# Allegro board MCU075A_LP-CC2652R7.brd (continued)
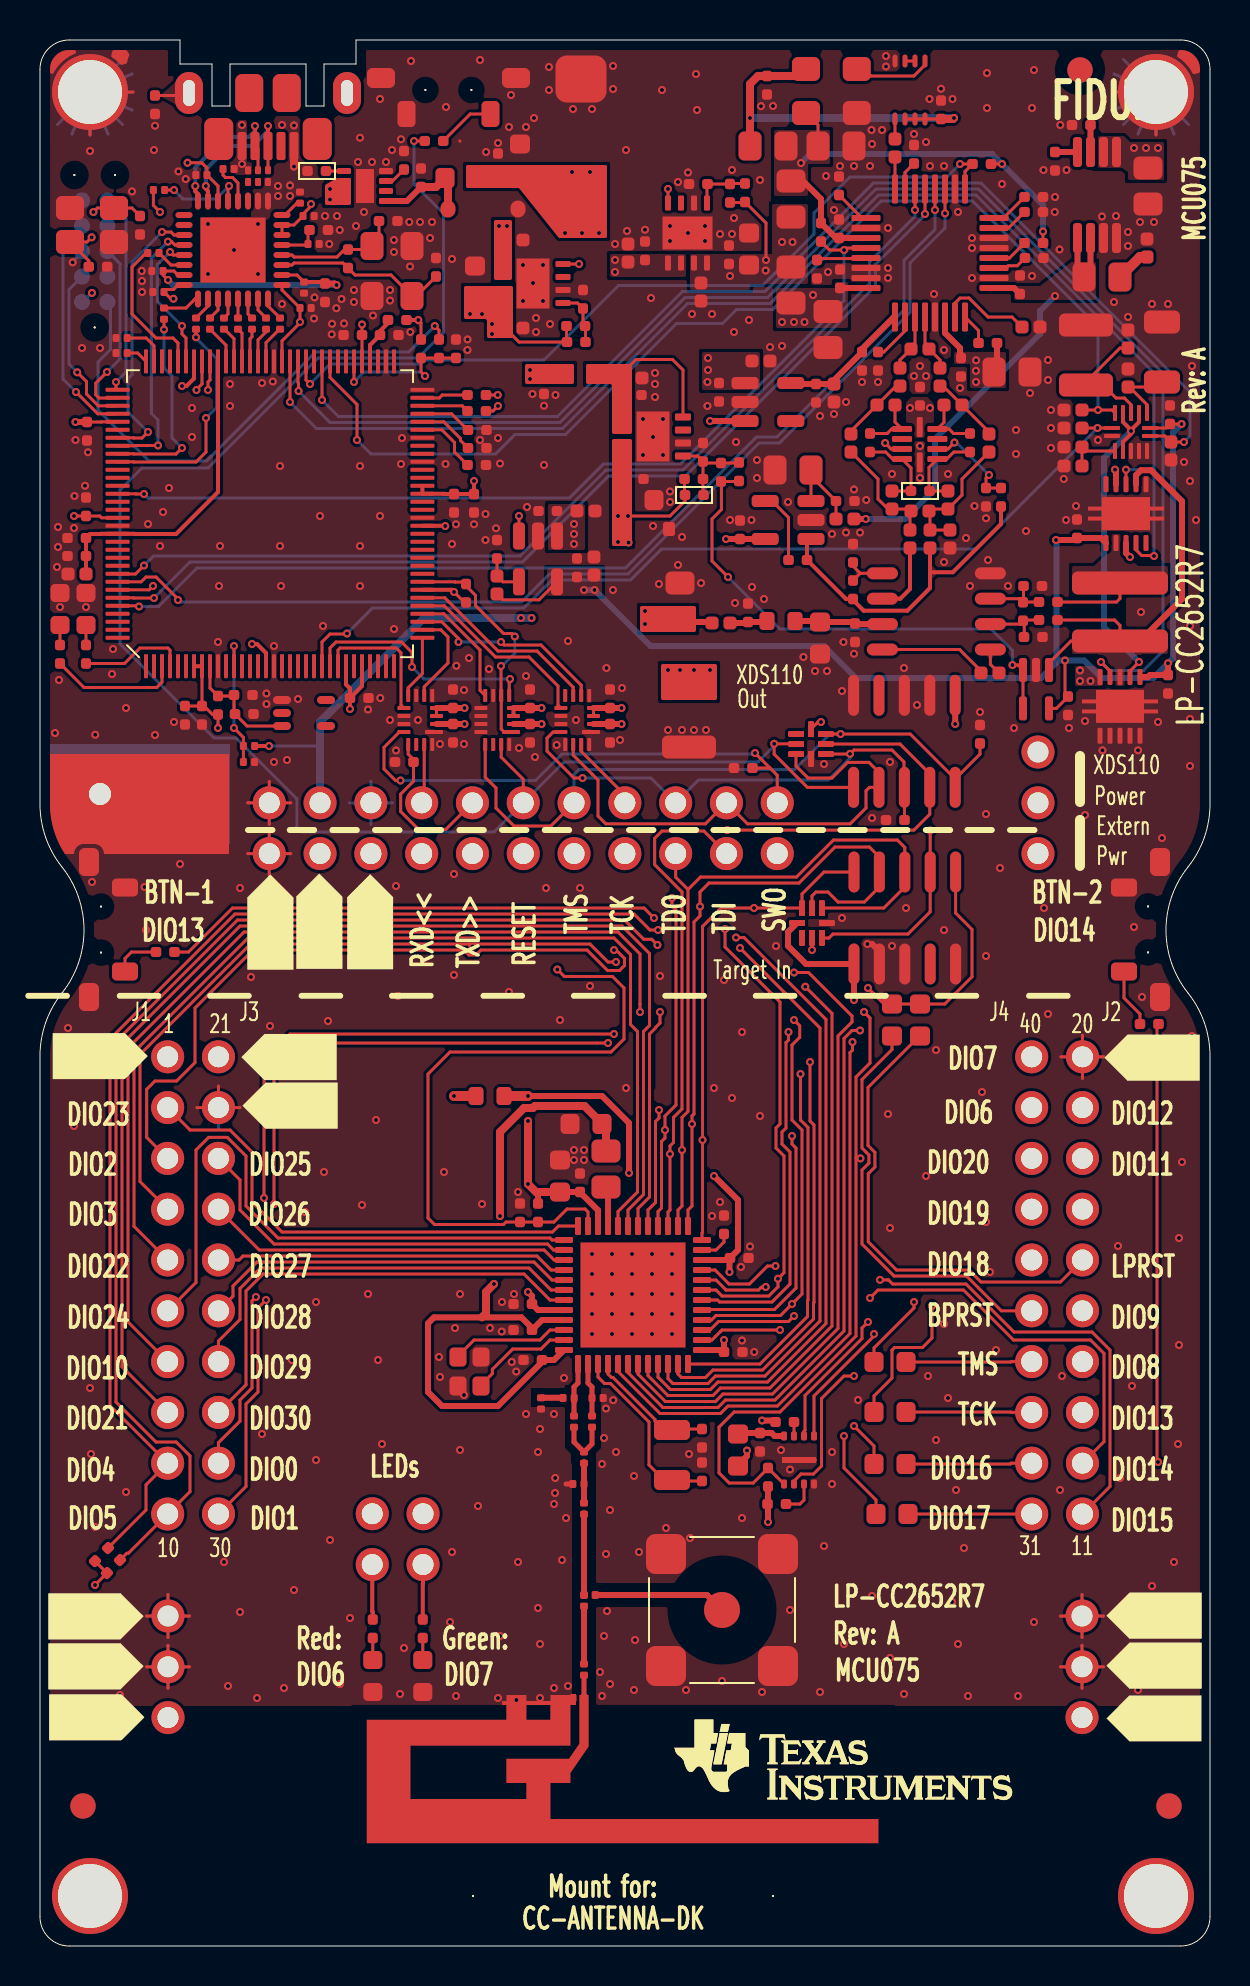
[diagram p0: board, top side]
## Routing (per net, layer and track width the routed paths; a pad name or vN(x,y) marks a point on that pad's centre or on a via; arc(x,y) is an arc through that point) (continued)
VBUS_DET: length 7
  TOP w0.15: R93.1 R92.1 10.17,60.43 v1(9.7,60.9) ; U5.12 v1(9.7,65)
  BOTTOM w0.15: v1(9.7,60.9) v1(9.7,65)
VDDC: length 15.9
  TOP w0.2: U5.87 8.9,72.7 6.8,70.6 4.72,70.6 4.71,70.61 U5.115 3.05,70.61 3.04,70.6 2.5,70.6 C43.1 C44.1 C45.1
VDDR: length 36.3
  TOP w0.3: U1.45 25.1,31.3 C106.1 24.6,30.9 24.07,31.43 19.7,31.43 19.4,31.13 19.4,27.7 20.1,27 22.9,27 25.1,29.2 C107.1 25.7,29.3 U1.48
  TOP w0.4: v1(23,36.5) 23,40.7 24.2,41.9 24.65,41.9 24.75,42 27.22,42 28.1,41.12 C105.1 28.3,40.9 L1.2 ; 22.1,31.43 22.3,31.63 22.3,32.7 v1(22.7,33.1)
  L3 w0.4: v1(22.7,33.1) 22.7,35.67 23,35.97 v1(23,36.5)
VDDS: length 43.5
  TOP w0.3: v1(29.45,38.65) 29.45,41.15 28.1,42.5 v1(24.4,42.5) ; v1(33.7,38.5) 34.9,37.3 34.9,34.8 C101.1 34.47,34.43 ; U1.22 34.35,34.3 34.47,34.43 ; 34.47,34.43 v1(34.47,33.7) ; 24.8,37.7 24.9,37.6 R1.2 ; U1.13 34.1,29.8 C99.1 v1(34.2,30.3) ; 25.9,37.7 C103.1 C104.1 27,37.69 27.9,36.79 U1.34 ; v1(24.4,32.7) 24.6,32.5 C102.1 24.9,31.8 U1.44
  TOP w0.4: v1(24.4,41.25) v1(24.4,38.1) 24.8,37.7 25.9,37.7
  TOP w0.5: FL1.1 v1(24.4,42.5)
  L3 w0.3: v1(29.45,38.65) 30.03,38.65 30.18,38.5 v1(33.7,38.5) ; v1(34.2,30.3) 34.2,33.43 v1(34.47,33.7) ; v1(24.4,32.7) v1(24.4,38.1)
  L3 w0.4: v1(24.4,41.25) v1(24.4,42.5)
BP_RESET: length 21.2
  TOP w0.15: R52.1 42.6,44.82 41.1,43.32 41.1,39.9 41.3,39.7 41.3,39.7 41.44,39.56 41.44,39.15 41.1,38.8 41.1,35.1 42.7,33.5 46.32,33.5 46.93,32.9 46.93,32.9 48.07,31.76 J2.11
DCDC_SW: length 2
  TOP w0.3: L1.1 28.4,37.85 U1.33
DIO0: length 80.4
  TOP w0.15: v1(10.79,32.45) 10.79,32.44 10.6,32.25 10.6,27.9 10,27.3 10,26.25 8.92,25.17 J1.18 ; U1.5 28.9,28.72 31,26.62 34.02,26.62 34.4,27 36.88,27 40.5,30.62 40.5,44.67 40.62,44.8 v1(40.62,45.2) ; v1(28.7,45.6) 12.5,45.6 11.2,44.3 v1(11.2,37.4)
  L3 w0.15: v1(28.7,45.6) 29.1,45.6 29.5,45.2 v1(40.62,45.2) ; v1(10.79,32.45) 10.79,32.85 10.8,32.86 10.8,37 v1(11.2,37.4)
DIO1: length 84.1
  TOP w0.15: U1.6 29.4,28.67 31.14,26.93 33.9,26.93 34.27,27.3 36.75,27.3 40.2,30.75 40.2,45.38 40.6,45.78 v1(41,45.78) ; v1(11.7,37.1) 11.7,44.3 12.55,45.15 v1(28.4,45.15) ; v1(11.3,32.3) 10.9,31.9 10.9,27.7 10.3,27.1 10.3,22.98 J1.20
  L3 w0.15: v1(11.7,37.1) 11.3,36.7 v1(11.3,32.3) ; v1(28.4,45.15) 28.95,45.15 29.4,44.7 41,44.7 41.28,44.99 41.28,45.49 v1(41,45.78)
DIO4_SCL: length 94.3
  TOP w0.15: R3.1 5.3,21.8 5.3,23.06 J1.17 3.5,27.02 3.5,45.1 3.5,45.35 9.75,51.6 29.7,51.6 30.5,50.8 v1(30.9,50.8) ; U1.9 30.9,28.44 31.52,27.82 33.52,27.82 33.9,28.2 36.38,28.2 39.3,31.12 39.3,46.32 35.2,50.42 v1(34.8,50.42)
  L3 w0.15: v1(34.8,50.42) 31.28,50.42 v1(30.9,50.8)
DIO5_SDA: length 93.9
  TOP w0.15: v1(35,49.9) 39,45.9 39,31.25 36.25,28.5 33.77,28.5 33.4,28.12 31.64,28.12 31.4,28.37 U1.10 ; R2.1 4.34,19.64 4.42,19.64 J1.19 7.5,22.72 7.5,24.51 6.81,25.2 5.8,25.2 3.8,27.2 3.8,45.22 9.88,51.3 29.22,51.3 30.19,50.34 30.59,50.34 v1(30.87,50.05)
  L3 w0.15: v1(35,49.9) 34.52,49.9 34.37,50.05 v1(30.87,50.05)
DIO6_RLED: length 78.6
  TOP w0.15: U1.11 31.9,28.6 32.08,28.43 33.27,28.43 33.65,28.8 36.12,28.8 38.68,31.35 38.68,32.15 38.7,32.18 38.7,41.05 38.5,41.25 v1(38.5,44.2)
  L3 w0.15: J2.3 50.63,42.97 50.63,44.97 50,45.6 49.2,45.6 47.8,44.2 v1(38.5,44.2) 23.1,44.2 18.85,39.95 18.85,23.85 P6.2
DIO7_GLED: length 69.8
  TOP w0.15: v1(38.03,43.6) 38.03,41.3 38.4,40.93 38.4,32.3 38.38,32.28 38.38,31.47 36,29.1 U1.12
  L3 w0.15: P6.4 19.15,39.75 23,43.6 v1(38.03,43.6) 48.72,43.6 J2.1
DIO8_MISO: length 28.9
  TOP w0.15: v1(37,30.8) 34.1,30.8 34.02,30.72 33.6,30.3 U1.14 ; v1(40.7,28.5) 40.2,28.5 39.07,27.38 39.07,24 38.68,23.6 38.05,23.6 37.7,23.25 U4.2
  L3 w0.15: J2.14 52.12,28.19 51.83,27.9 41.3,27.9 v1(40.7,28.5) 38.4,30.8 v1(37,30.8)
DIO9_MOSI: length 26.5
  TOP w0.15: v1(41.7,30.6) 41.7,30.5 38.7,27.5 U4.5 ; U1.15 33.5,30.8 33.93,31.22 37.43,31.22 v1(37.7,31.5)
  L3 w0.15: v1(37.7,31.5) 40.3,31.5 41.2,30.6 v1(41.7,30.6) 50.96,30.6 J2.12
DIO10_SCLK: length 86.7
  TOP w0.15: J1.13 4.4,31.2 4.4,44.9 10.2,50.7 28.9,50.7 30,49.6 30,47.1 30,47.1 v1(30,46.7) ; v1(37.7,46.3) 37.99,46.01 37.99,45.43 37.6,45.05 37.6,41.3 38.1,40.8 38.1,32.6 v1(37.6,32.1) 37.03,31.53 33.8,31.53 33.57,31.3 U1.16 ; U4.6 38.2,25.74 38.25,25.79 38.25,27.53 41.1,30.38 41.1,30.9 v1(41.4,31.2)
  L3 w0.15: v1(30,46.7) 30.29,46.41 30.29,46.41 30.5,46.2 37.2,46.2 37.3,46.3 v1(37.7,46.3) ; v1(41.4,31.2) 40.5,32.1 v1(37.6,32.1)
DIO11_CS: length 27.8
  TOP w0.15: U1.17 33.51,31.8 33.53,31.82 36.72,31.82 37.8,32.9 37.8,39.9 37.6,40.1 v1(37.6,40.5)
  L3 w0.15: v1(37.6,40.5) 51,40.5 J2.6
DIO12: length 35.7
  TOP w0.15: U1.18 33.88,32.3 33.98,32.2 36.6,32.2 36.7,32.3 37.5,33.1 37.5,39.7 37.1,40.1 37.1,40.7 37.3,40.9 37.3,45.17 37.43,45.3 v1(37.43,45.7)
  L3 w0.15: J2.4 50.93,43.11 50.93,45.27 50,46.2 38.54,46.2 38.04,45.7 v1(37.43,45.7)
DIO13_BTN1: length 77
  TOP w0.15: v1(34.25,50.85) 34.25,49.95 37,47.2 37,41.1 36.8,40.9 36.8,39.9 37.2,39.5 37.2,33.66 v1(36.9,33.36) 36.9,32.96 36.44,32.5 34.1,32.5 33.8,32.8 U1.19 ; R56.2 7.43,49.7 9.62,51.9 30.2,51.9 v1(30.7,51.4)
  L3 w0.15: J2.16 53.8,28.36 53.8,32.1 53,32.9 47.4,32.9 46.08,31.58 43.72,31.58 42.42,32.88 41.82,32.88 41.34,33.36 v1(36.9,33.36) ; v1(30.7,51.4) 30.95,51.4 31.5,50.85 v1(34.25,50.85)
DIO14_BTN2: length 53.8
  TOP w0.15: U1.20 33.8,33.3 34.3,32.8 34.3,32.8 35.93,32.8 36.06,32.94 36.3,32.94 36.3,32.95 v1(36.29,32.95) ; J2.18 53.2,25.22 53.2,29.63 52.53,30.3 48.68,30.3 46.18,32.8 41.9,32.8 v1(41.5,32.4) ; v1(55.9,24.2) 55.85,24.25 55.85,46.03 R55.2
  L3 w0.15: J2.18 55.44,24.14 55.5,24.2 v1(55.9,24.2) ; v1(41.5,32.4) 41.2,32.7 36.94,32.7 36.69,32.95 v1(36.29,32.95)
DIO15: length 31.6
  TOP w0.15: J2.20 53.5,22.98 53.5,29.8 52.6,30.7 48.7,30.7 46.3,33.1 42.63,33.1 42.43,33.3 42.41,33.3 42.4,33.31 v1(42,33.31) ; U1.21 33.75,33.8 34.45,33.1 35.47,33.1 36.37,34 v1(36.78,34)
  L3 w0.15: v1(36.78,34) 41.3,34 41.71,33.59 41.72,33.59 v1(42,33.31)
DIO16_TDO: length 58.9
  TOP w0.15: 32.4,52.82 32.4,41.73 32.1,41.43 v1(32.1,39.8) 32.1,37 31.9,36.8 U1.26 ; 32.4,52.82 31.78,53.44 P4.6 ; 32.4,52.82 33.03,53.45 37.82,53.45 39.68,55.3 42.87,55.3 43.24,54.93 P5.6 43.24,52.95 42.19,51.9 CR8.5 ; v1(40.7,26) 41.7,25 R48.2
  L3 w0.15: v1(32.1,39.8) 33.43,39.8 36.5,36.73 36.5,34.37 35.5,33.37 35.5,31.6 40.7,26.4 v1(40.7,26)
DIO17_TDI: length 69.1
  TOP w0.15: v1(40.2,25.5) 40.2,23.9 41.8,22.3 R49.2 ; U1.27 31.4,36.7 31.5,36.8 v1(31.5,39.6) 31.5,40 31.68,40.18 31.68,41.43 32.1,41.85 32.1,52.7 30.73,54.07 30.73,55.38 31.1,55.75 33.19,55.75 P4.4 ; CR8.3 39.45,50.4 39.65,50.6 43.4,50.6 44.51,51.71 P5.8 v1(44.51,55.78)
  L3 w0.15: P4.4 35.48,55.78 v1(44.51,55.78) ; v1(40.2,25.5) 40.2,26.2 35.1,31.3 35.1,33.4 36,34.3 36,36.8 33.88,38.93 32.18,38.93 v1(31.5,39.6)
DIO19_CTS: length 27
  TOP w0.15: U1.29 30.4,36.8 30.78,37.18 30.78,41.22 30.95,41.4 v1(30.95,41.8)
  L3 w0.15: v1(30.95,41.8) 31.24,42.09 33.62,42.09 38.86,36.84 J2.7
DIO20_FLASH_CS: length 62
  TOP w0.15: U1.30 29.9,36.88 30.47,37.45 30.47,45.6 30.78,45.9 30.78,45.92 31,46.15 v1(31,46.7) ; v1(41.02,39.38) 40.82,39.38 40.8,39.4 ; 36.4,23.9 36.81,23.48 36.82,23.48 U4.1 ; 36.4,23.9 R11.1 ; 36.4,23.9 36.4,23.89 35.66,23.15 34.46,23.15 33.95,23.66 33.95,25.94 34.71,26.7 37,26.7 40.8,30.5 40.8,39.4 ; 40.8,39.4 40.8,43.45 41.5,44.15 41.5,46.4 v1(41.2,46.7)
  L3 w0.15: v1(31,46.7) 31.4,46.7 31.53,46.82 40.67,46.82 40.8,46.7 v1(41.2,46.7) ; J2.5 v1(41.02,39.38)
DIO21: length 62.8
  TOP w0.15: U1.31 29.4,36.8 30.18,37.57 30.18,45.72 30.47,46.03 30.47,49.62 29.1,51 10,51 4.1,45.1 4.1,28.96 J1.15
DIO22: length 52.7
  TOP w0.15: J1.9 4.7,35.98 4.7,44.7 10.4,50.4 28.7,50.4 29.53,49.57 29.53,46.07 29.88,45.72 29.88,37.7 28.9,36.72 U1.32
DIO23_ANALOG: length 24.7
  TOP w0.15: U1.36 25.93,36 25.62,35.7 12.1,35.7 10.6,37.2 10.6,39.7 9.5,40.8 7.5,40.8 J1.3
DIO24_ANALOG: length 30.9
  TOP w0.15: U1.37 25.6,35.3 25.5,35.4 11.9,35.4 10.3,37 10.3,39.5 9.37,40.43 8.43,40.43 7.8,39.8 7.8,33.18 J1.11
DIO25_ANALOG: length 20.1
  TOP w0.15: U1.38 25.68,34.8 25.38,35.1 11.7,35.1 10,36.8 10,38.3 J1.6
DIO26_ANALOG: length 18.3
  TOP w0.15: U1.39 25.71,34.3 25.21,34.8 10.96,34.8 J1.8
DIO27_ANALOG: length 17.6
  TOP w0.15: U1.40 25.55,33.8 24.85,34.5 10.15,34.5 9.95,34.3 J1.10
DIO28_ANALOG: length 19
  TOP w0.15: U1.41 25.6,33.3 24.7,34.2 10.85,34.2 9.65,33 9.65,32.49 J1.12
DIO29_ANALOG: length 21.2
  TOP w0.15: U1.42 25.55,32.8 24.45,33.9 11.03,33.9 10,32.88 10,31.32 8.92,30.25 J1.14
DIO30_ANALOG: length 23.4
  TOP w0.15: J1.16 10.3,28.06 10.3,32.75 11.15,33.6 24.2,33.6 25.5,32.3 U1.43
ET_1V8: length 6.8
  TOP w0.3: U43.5 37.59,78.1 C158.1 C159.1 39.7,78.29 41.1,79.69 C128.1 41.1,79.85 42.7,81.45 U35.1
ET_3V3: length 7
  TOP w0.15: v1(36.3,84.3) 36.3,86.15 C153.1 35.23,87.18 R132.2 ; U37.3 42.56,74.85 v1(42.26,75.15)
  TOP w0.3: U41.5 C141.1 v1(34.3,70.35)
  vias: v1(34.5,83.5) v1(36.28,83.77) v1(37.1,85.2) v1(37.63,85.2) v1(43.5,76.9) v1(44.5,76.9) v1(54.7,89.9) v1(55.3,89.9) v1(55.9,89.9)
ET_5V0: length 4.4
  TOP w0.15: 38.95,66.25 C165.1 ; 40.67,66.2 C125.2
  TOP w0.3: 42.12,66.1 40.78,66.1 C125.2 ; FL4.1 38.95,66.25 ; C165.1 40.67,66.2
ET_AVDD: length 5.2
  TOP w0.3: U35.32 C120.1 ; C122.1 47.85,78.85 R98.1 ; U35.6 45.25,80.65 46,79.9 46,79.45 C119.1
  vias: v1(37.1,81.2) v1(37.7,81.2) v1(38.23,81.2) v1(38.65,82.55) v1(46.8,79.29) v1(46.8,78.76) v1(46.8,78.2)
ET_BYPASS: length 67
  TOP w0.15: U33.8 v1(54.3,73.82) ; U33.4 54.8,69.81 55.08,69.52 55.68,69.52 v1(55.7,69.5) ; U5.78 v1(12.5,77.2)
  BOTTOM w0.15: v1(54.3,73.82) 55.68,73.82 55.7,73.8 ; v1(55.7,69.5) 55.7,73.8 ; 55.7,73.8 55.7,78.65 46.8,87.55 41.93,87.55 37.61,83.23 37.61,83.22 36.51,82.12 32.38,82.12 26.13,75.88 13.82,75.88 v1(12.5,77.2)
ET_CAL0: length 59.3
  TOP w0.15: U39.13 56.25,75.5 R129.1 v1(57.2,75.2) ; v1(14.1,77.3) U5.74
  BOTTOM w0.15: v1(14.1,77.3) 14.93,76.48 25.88,76.48 32.13,82.73 36.25,82.73 36.57,83.05 36.59,83.05 37.01,83.47 37.01,83.48 41.68,88.15 47.05,88.15 57.5,77.7 57.5,75.5 v1(57.2,75.2)
ET_CAL1: length 55.6
  TOP w0.15: U39.5 53.6,76.8 v1(52.9,76.8) R128.1 ; v1(15.85,75.3) 15.85,77.08 14.5,78.43 U5.73
  BOTTOM w0.15: v1(15.85,75.3) 16.55,74.6 22.78,74.6 23.75,75.57 26.28,75.57 31.82,81.12 34.12,81.12 34.82,81.82 36.64,81.82 37.91,83.1 37.91,83.11 42.05,87.25 46.63,87.25 52.9,80.98 v1(52.9,76.8)
ET_CAL2: length 45.9
  TOP w0.15: v1(15.35,65.62) 15.32,65.6 14.5,65.6 14.1,65.2 U5.23 ; R127.1 v1(52.88,75.9) U39.6
  BOTTOM w0.15: v1(52.88,75.9) 46.83,69.85 31.08,69.85 29.53,68.3 25.6,68.3 24.2,66.9 16.62,66.9 v1(15.35,65.62)
ET_CALIBRATE: length 72.5
  TOP w0.15: v1(53.05,64.2) 53.5,63.75 U38.4 ; v1(12.93,77.75) 12.93,78.15 12.9,78.18 U5.77
  BOTTOM w0.15: v1(12.93,77.75) 14.5,76.18 26,76.18 32.25,82.43 36.38,82.43 36.53,82.57 36.53,82.58 36.7,82.75 36.71,82.75 37.31,83.35 37.31,83.36 41.8,87.85 46.93,87.85 56.15,78.62 56.15,64.75 55.18,63.77 53.47,63.77 v1(53.05,64.2)
ET_DVDD: length 23.4
  TOP w0.15: Y5.1 38.9,91.05 C117.1 ; R119.1 v1(50.15,85.73) ; R96.1 v1(48.1,89.1)
  TOP w0.3: L333.2 37.6,88.3 38.1,88.3 39.05,87.35 R114.1 39.8,85.4 C116.1 U35.27
  BOTTOM w0.3: v1(50.15,85.73) 50.15,87.05 v1(48.1,89.1) 47.6,89.6 38.5,89.6 v1(38.05,89.15)
ET_FB: length 25.2
  TOP w0.15: U45.4 U45.3 48.9,64.05 v1(48.62,64.05) ; 34.07,73.23 34.93,73.23 R138.1 ; 34.07,73.23 34.07,71.82 33.6,71.35 33.6,69.25 v1(34.4,68.45) ; 34.07,73.23 C169.2
  BOTTOM w0.15: v1(34.4,68.45) 37,65.85 47.55,65.85 48.62,64.78 v1(48.62,64.05)
ET_PM2: length 40.9
  TOP w0.15: U5.76 13.3,78.3 v1(13.5,78.1) ; v1(46,89.1) R96.2 46.25,88.72 U35.17
  BOTTOM w0.15: v1(46,89.1) 45.35,88.45 40.5,88.45 38.7,86.65 38.7,85.6 36.71,83.61 36.71,83.6 36.46,83.35 36.45,83.35 36.12,83.02 28.93,83.02 25.2,79.3 19.22,79.3 19.03,79.1 14.5,79.1 v1(13.5,78.1)
ET_PN3: length 45.5
  TOP w0.15: U5.110 4.79,72.61 4.8,72.6 v1(5.2,72.6) ; R114.2 39.48,84.8 v1(40.2,84.8) 40.3,84.9 U35.28
  BOTTOM w0.15: v1(40.2,84.8) 40.2,82.28 32.03,74.1 28.18,74.1 26.47,72.4 5.4,72.4 v1(5.2,72.6)
ET_SSICLK: length 49.3
  TOP w0.15: U5.120 3.89,68.6 4.78,68.6 v1(5.2,69.02) ; v1(43.75,86.8) U35.22
  BOTTOM w0.15: v1(5.2,69.02) 5.68,69.5 24,69.5 28.3,73.8 32.15,73.8 41.47,83.12 41.47,84.2 43.75,86.48 v1(43.75,86.8)
ET_SSIDAT0: length 50.2
  TOP w0.15: U5.123 4.68,67.41 4.69,67.4 v1(5.7,67.4) ; v1(44.25,86.6) U35.21
  BOTTOM w0.15: v1(44.25,86.6) 44.25,86.55 41.78,84.08 41.78,83 32.28,73.5 28.43,73.5 24.12,69.2 7.5,69.2 v1(5.7,67.4)
ET_SSIDAT1: length 52.2
  TOP w0.15: v1(4.95,66.98) 4.91,67.01 U5.124 ; U35.20 v1(44.75,86.8)
  BOTTOM w0.15: v1(4.95,66.98) 5.93,66.98 7.85,68.9 29.28,68.9 35.83,75.45 36.85,75.45 43.2,81.8 43.2,84.27 44.75,85.82 v1(44.75,86.8)
ET_SSIFSS: length 53.2
  TOP w0.15: v1(45.25,86.63) 45.25,86.63 U35.19 ; v1(6.9,67.3) 6.9,67.35 5.8,68.45 5.3,68.45 5.06,68.21 U5.121
  BOTTOM w0.15: v1(45.25,86.63) 45.25,86.63 45.25,85.9 43.5,84.15 43.5,81.68 36.97,75.15 35.95,75.15 29.4,68.6 25.47,68.6 24.07,67.2 7,67.2 v1(6.9,67.3)
ET_VDD: length 7.5
  TOP w0.15: R151.2 32.23,72.57 C172.1 32.25,72.25 31.5,71.5 29.45,71.5
  L3 w0.15: 48.82,59.7 P10.1 ; P10.1 49.9,60.78 ; P10.1 50.98,59.7
  vias: v1(28.9,71.5) v1(28.9,70.2) v1(29.4,71.5) v1(29.43,70.17) v1(31.4,63.8) v1(32,63.8) v1(32.7,63.8) v1(33.5,63.8)
ET_VREF: length 22.4
  TOP w0.3: U40.5 51.88,83.77 C146.1 52.53,83.77 U40.6 ; C127.1 48.7,82.9 U35.9 ; v1(41.29,71.35) R121.1
  BOTTOM w0.3: v1(50.75,82.5) 50,81.75 50,80.6 44.75,75.35 44.75,72.85 43.25,71.35 v1(41.29,71.35)
IRSTN: length 27.2
  TOP w0.15: R20.2 19.95,80.79 v1(19.74,81)
  BOTTOM w0.15: v1(19.74,81) 18.44,79.7 13.78,79.7 8.33,74.25 5.45,74.25 2.9,76.8 2.9,79.2 3.52,79.82 3.52,82.05 P8.10
ITCK: length 11.5
  TOP w0.15: v1(1.8,77.7) 2.89,76.61 U5.100
  BOTTOM w0.15: v1(1.8,77.7) 1.15,78.35 1.15,85.06 P8.4
ITDI: length 9.1
  TOP w0.15: U5.98 3.87,77.4 2.95,77.4 2.78,77.57 2.78,78.13 v1(3.35,78.7)
  BOTTOM w0.15: P8.8 4.01,84.1 4.01,79.36 v1(3.35,78.7)
ITDO: length 10.1
  TOP w0.15: U5.97 3.8,77.89 v1(3.8,78.2)
  BOTTOM w0.15: v1(3.8,78.2) 4.31,78.71 4.31,86.34 P8.6
ITMS: length 8.3
  TOP w0.15: v1(1.86,78.69) 2.32,78.22 2.32,77.6 2.91,77.01 U5.99
  BOTTOM w0.15: v1(1.86,78.69) 1.45,79.1 1.45,82.82 P8.2
LP_RESET: length 23.7
  TOP w0.15: R51.1 43.97,45.5 41.4,42.93 41.4,40.03 41.75,39.68 41.75,38.94 41.41,38.61 41.41,35.21 42.83,33.8 46.45,33.8 47.05,33.2 51.02,33.2 J2.10
LS_VDD: length 12.1
  TOP w0.15: v1(39.05,61.2) 38.9,61.2 CR7.8
  TOP w0.3: v1(21.23,61.1) C74.1 U8.2 ; U9.2 C72.1 v1(29.08,61.1) ; U33.3 54.3,69.65 v1(54.5,69.45) ; U10.2 C70.1 v1(25.08,61.1) ; v1(53.75,73.82) 53.8,73.77 U33.9 ; P7.1 v1(45.76,61.1)
  L3 w0.15: 48.82,57.16 P10.2 ; P10.2 50.98,57.16 ; P10.2 49.9,56.08 ; P10.2 49.9,58.24
SW_VDD: length 63.3
  TOP w0.15: v1(51.25,64.28) 51.25,62.62 C170.2 51.4,62.46 50.82,61.88 U45.5 ; U39.14 56.3,75.9 C139.1 v1(57.08,76.1) ; R134.2 23.14,67.31 24.95,67.31 U44.5
  TOP w0.3: U38.1 55.4,63.45 55.5,63.55 C140.1 v1(56.4,64.14) ; U33.1 53.05,70.4 C162.1 51.75,70.3 v1(50.8,70.3)
  BOTTOM w0.3: v1(57.08,76.1) 56.65,75.67 56.65,64.39 v1(56.4,64.14) 55.66,63.4 53.09,63.4 52.21,64.28 v1(51.25,64.28) 50.82,64.28 ; 50.82,64.28 50.82,64.17 50.05,63.4 40.8,63.4 39.2,65 30.53,65 v1(27.73,67.8) v1(27.2,67.8) ; 50.82,64.28 50.82,70.28 v1(50.8,70.3)
TARGET_VDD: length 4.3
  BOTTOM w0.15: P4.17 16.54,58.24 ; P4.17 17.62,57.16 ; P4.17 15.47,57.16 ; P4.17 16.54,56.08
  vias: v1(52,63.78) v1(52,63.25) v1(52.53,63.25)
USB1V8: length 13.2
  TOP w0.15: v1(6.4,83.3) 6.15,83.55 C84.1 6.69,83.75 6.89,83.55 U15.15 ; C83.1 12.85,83.55 U15.26
  TOP w0.2: C83.1 14.17,83.2 C85.2
  TOP w0.3: v1(14.83,83.05) 14.8,83.05 14.73,83.12 C85.2
  BOTTOM w0.3: v1(14.83,83.05) 6.65,83.05 v1(6.4,83.3)
USB_VBUS:
  vias: v1(10.1,91.05) v1(10.1,89.1) v1(14.5,87.85) v1(14.5,87.32)
USBA1V8: length 2.1
  TOP w0.15: C86.2 13.4,85.72 C87.1 13.35,85.05 U15.29
USBCLK: length 7.2
  TOP w0.15: R148.2 5.3,84.65 4.6,83.95 4.6,81.6 5.8,80.4 6.65,80.4 6.9,80.15 U5.92
USBD0: length 1.9
  TOP w0.15: R140.2 11.97,80.84 11.3,80.17 U5.81
USBD1: length 1.8
  TOP w0.15: R141.2 11.3,80.7 10.9,80.3 U5.82
USBD2: length 1.7
  TOP w0.15: R142.2 10.6,80.46 10.5,80.36 U5.83
USBD3: length 1.7
  TOP w0.15: U5.84 10.1,80.64 R143.2
USBD4: length 1.8
  TOP w0.15: R144.2 9.22,80.84 9.7,80.37 U5.85
USBD5: length 1.9
  TOP w0.15: R145.2 9.3,80.04 U5.86
USBD6: length 11.4
  TOP w0.15: v1(8.3,76.4) 8.3,74.7 7.8,74.2 4.69,74.2 4.68,74.21 U5.106 ; R146.2 v1(7.8,80.44)
  BOTTOM w0.15: v1(7.8,80.44) 7.8,80.4 8.82,79.38 8.82,76.93 v1(8.3,76.4)
USBD7: length 10.2
  TOP w0.15: U5.105 4.68,74.61 4.69,74.6 6.8,74.6 v1(7.1,74.9) ; R147.2 v1(6.2,80.82)
  BOTTOM w0.15: v1(6.2,80.82) 6.2,78.9 6.6,78.5 6.6,75.4 v1(7.1,74.9)
USBDIR: length 13.6
  TOP w0.15: U15.12 6.75,85.05 6.58,85.22 v1(6.4,85.22) ; U5.104 4.68,75.01 4.7,75.03 v1(5.9,75.03) 5.87,75
  BOTTOM w0.15: v1(6.4,85.22) 5.56,84.38 5.56,76.63 5.9,76.3 v1(5.9,75.03)
USBDM: length 8
  TOP w0.15: J6.2 10.9,89.85 CR6.5
  TOP w0.2: v1(10.75,91) J6.2 ; U15.8 7.9,87.6 7.76,87.74 v1(7.76,88)
  BOTTOM w0.2: v1(7.76,88) 7.76,88.93 9.29,90.46 10.46,90.46 10.75,90.75 v1(10.75,91)
USBDP: length 8
  TOP w0.15: CR6.4 J6.3
  TOP w0.2: U15.7 8.4,87.75 8.29,87.86 v1(8.29,88) ; v1(11.4,91) J6.3
  BOTTOM w0.2: v1(11.4,91) 11.4,90.76 10.65,90.01 9.48,90.01 8.29,88.82 v1(8.29,88)
USBNXT: length 13.9
  TOP w0.15: v1(5.4,75.7) 5.1,75.4 4.69,75.4 4.68,75.41 U5.103 ; U15.11 6.7,85.55 6.55,85.7 v1(6.1,85.7)
  BOTTOM w0.15: v1(5.4,75.7) 4.4,76.7 4.4,78.38 4.61,78.58 4.61,84.21 v1(6.1,85.7)
USBSTP: length 7.1
  TOP w0.15: v1(7.1,81) 7.1,80.6 7.3,80.4 U5.91 ; U15.13 6.65,84.55 v1(6.5,84.7)
  BOTTOM w0.15: v1(6.5,84.7) 5.86,84.06 5.86,82.24 v1(7.1,81)
VCM: length 16.3
  TOP w0.2: U41.1 38.35,70.15 R131.1 40.3,67.35 R100.1 40.65,67.3 41.18,66.76 43.37,66.76 44.5,67.9 44.5,68.69 ; R111.2 48.05,71.1 45.64,68.69 44.5,68.69 ; 44.5,68.69 R109.2
WMCU_RESET: length 69.4
  TOP w0.15: CR8.2 v1(38.6,49.8) ; P5.10 45.78,51.65 46.6,50.83 46.6,48.46 45.24,47.1 R51.2 R52.2 42.2,47.1 v1(41.4,47.9) ; v1(25.87,48.82) 26.22,48.47 28.62,48.47 29.2,47.9 29.2,45.35 28.55,44.7 20.5,44.7 19.4,43.6 19.4,36.4 19.72,36.07 23.18,36.07 23.3,36.2 C20.1 R1.1 25.7,36.2 26.35,36.85 27.25,36.85 27.4,36.7 U1.35
  L3 w0.15: P4.12 24.16,50.53 v1(25.87,48.82) 27.09,48.82 28.59,50.32 29.2,50.32 30.07,49.45 38.25,49.45 v1(38.6,49.8) 39.5,49.8 v1(41.4,47.9)
WMCU_RXD: length 92
  TOP w0.15: v1(28.7,49.8) 28.8,49.8 29.22,49.38 29.22,49.02 28.98,48.78 28.38,48.78 27.35,49.8 22.05,49.8 21.8,49.55 21.45,49.55 21.2,49.8 10.65,49.8 7.75,46.9 7.75,44.17 6.83,43.25 5.75,43.25 5.33,42.83 5.33,40.43 J1.5 ; U1.7 29.9,28.59 31.27,27.22 33.77,27.22 34.15,27.6 36.62,27.6 39.9,30.88 39.9,45.5 40.6,46.2 40.6,46.5 38.43,48.67 v1(37.7,48.67)
  L3 w0.15: P4.16 20.26,55.8 22.4,55.8 22.9,55.3 22.9,51.1 25.6,48.4 27.3,48.4 v1(28.7,49.8) 29.3,49.8 30,49.1 37.27,49.1 v1(37.7,48.67)
WMCU_SWO: length 45.3
  TOP w0.15: v1(31.6,52.4) 31.6,52 31.8,51.8 31.8,42.05 31.25,41.5 v1(31.25,40.8) 31.25,40.4 31.07,40.22 31.07,36.9 30.9,36.72 U1.28
  L3 w0.15: P4.2 36.86,53.59 35.67,52.4 v1(31.6,52.4) ; J2.9 42.81,34.3 41.96,35.15 39.95,35.15 33.57,41.53 31.97,41.53 v1(31.25,40.8)
WMCU_TCK: length 61.3
  TOP w0.15: v1(44.6,32) 44.6,30.4 44.13,29.93 42.73,29.93 42.6,29.79 42.6,28.4 41.7,27.5 R47.2 ; U1.25 32.4,36.8 32.6,37 v1(32.6,41.1) 32.6,41.5 32.7,41.6 32.7,51.2 33,51.5 v1(33,51.97) 33,52.7 33.45,53.15 37.95,53.15 39.75,54.95 41.47,54.95 41.97,54.45 P5.4 41.97,52.95 41.22,52.2 39.9,52.2 39.4,52.7 38.8,52.7 38.6,52.5 CR8.6
  L3 w0.15: v1(33,51.97) 31.41,51.97 29.97,53.41 29.97,53.89 P4.8 ; v1(32.6,41.1) 33.4,41.1 39.65,34.85 41.75,34.85 v1(44.6,32)
WMCU_TMS: length 53.3
  TOP w0.15: P5.2 39.2,53.7 38.1,52.6 CR8.7 v1(35.7,51.9) 34.05,51.9 33.13,50.98 v1(33.13,40.3) 33.13,35.68 33.1,35.65 U1.24 ; v1(43.7,32.2) 43.7,31.9 41.7,29.9 R46.2
  L3 w0.15: v1(43.7,32.2) 43.41,32.49 43.41,32.68 41.64,34.45 39.62,34.45 33.77,40.3 v1(33.13,40.3) ; v1(35.7,51.9) 35.07,51.27 31.53,51.27 29.23,53.57 27.75,53.57 P4.10
WMCU_TXD: length 78.8
  TOP w0.15: J1.7 5,38.22 5,44.57 10.53,50.1 21.5,50.1 v1(21.62,49.97) 21.75,50.1 27.5,50.1 28.4,49.2 v1(28.8,49.2) ; U1.8 30.4,28.52 31.39,27.53 33.65,27.53 34.02,27.9 36.5,27.9 39.6,31 39.6,46.63 v1(38.26,47.96)
  L3 w0.15: v1(28.8,49.2) 29.2,49.2 30.6,47.8 37.7,47.8 37.86,47.96 v1(38.26,47.96) ; P4.14 v1(21.62,49.97)
WMCU_VDD: length 181.9
  TOP w0.15: 2.75,19.25 3.35,18.65 v1(2.75,18.05)
  TOP w0.3: v1(36.1,26.28) 36.7,26.28 R60.2 ; v1(35.35,24.78) 35.35,24.5 34.9,24.05 R89.2 ; R11.2 36.4,22.12 R59.2 36.4,22.08 v1(36.4,21.2) ; v1(40.7,47.3) P5.1 38.3,49.1 37.4,50 37.4,50.7 CR8.8
  TOP w0.5: v1(20.7,42.5) FL1.2
  L3 w0.3: P1.1 40.56,22.96 ; 40.56,22.96 38.75,24.78 ; 40.56,22.96 38.8,21.2 v1(36.4,21.2) ; 38.75,24.78 38.27,24.3 35.82,24.3 v1(35.35,24.78) ; 38.75,24.78 37.25,26.28 v1(36.1,26.28)
  L3 w0.5: 16.7,43.2 18.19,43.2 18.89,42.5 v1(20.7,42.5) 25.5,47.3 v1(40.7,47.3) 46.1,47.3 ; 16.7,43.2 16.54,43.36 P4.18 ; 16.7,43.2 7.64,43.2 J1.1 1.9,39.98 1.9,18.9 v1(2.75,18.05) ; 46.1,47.3 48.5,49.7 48.5,53.22 P10.3 ; 46.1,47.3 51.9,47.3 57.75,41.45 57.75,17.07 P1.1